# Altium PCB galileo_cleaned.PcbDoc (part 2 of 10)
Units mil, origin at the board's own origin, x right, y up, seen from the top; angles counter-clockwise.
Board outline 4205 x 2835.09 mil, 6 copper layers (TOP, PWR, LYR_1, LYR_2, GND, BOTTOM), stack 80.1 mil thick; 533 components, 432 nets, 2101 pads, 1155 vias.
Unrouted connection lines stored in the file: 669.
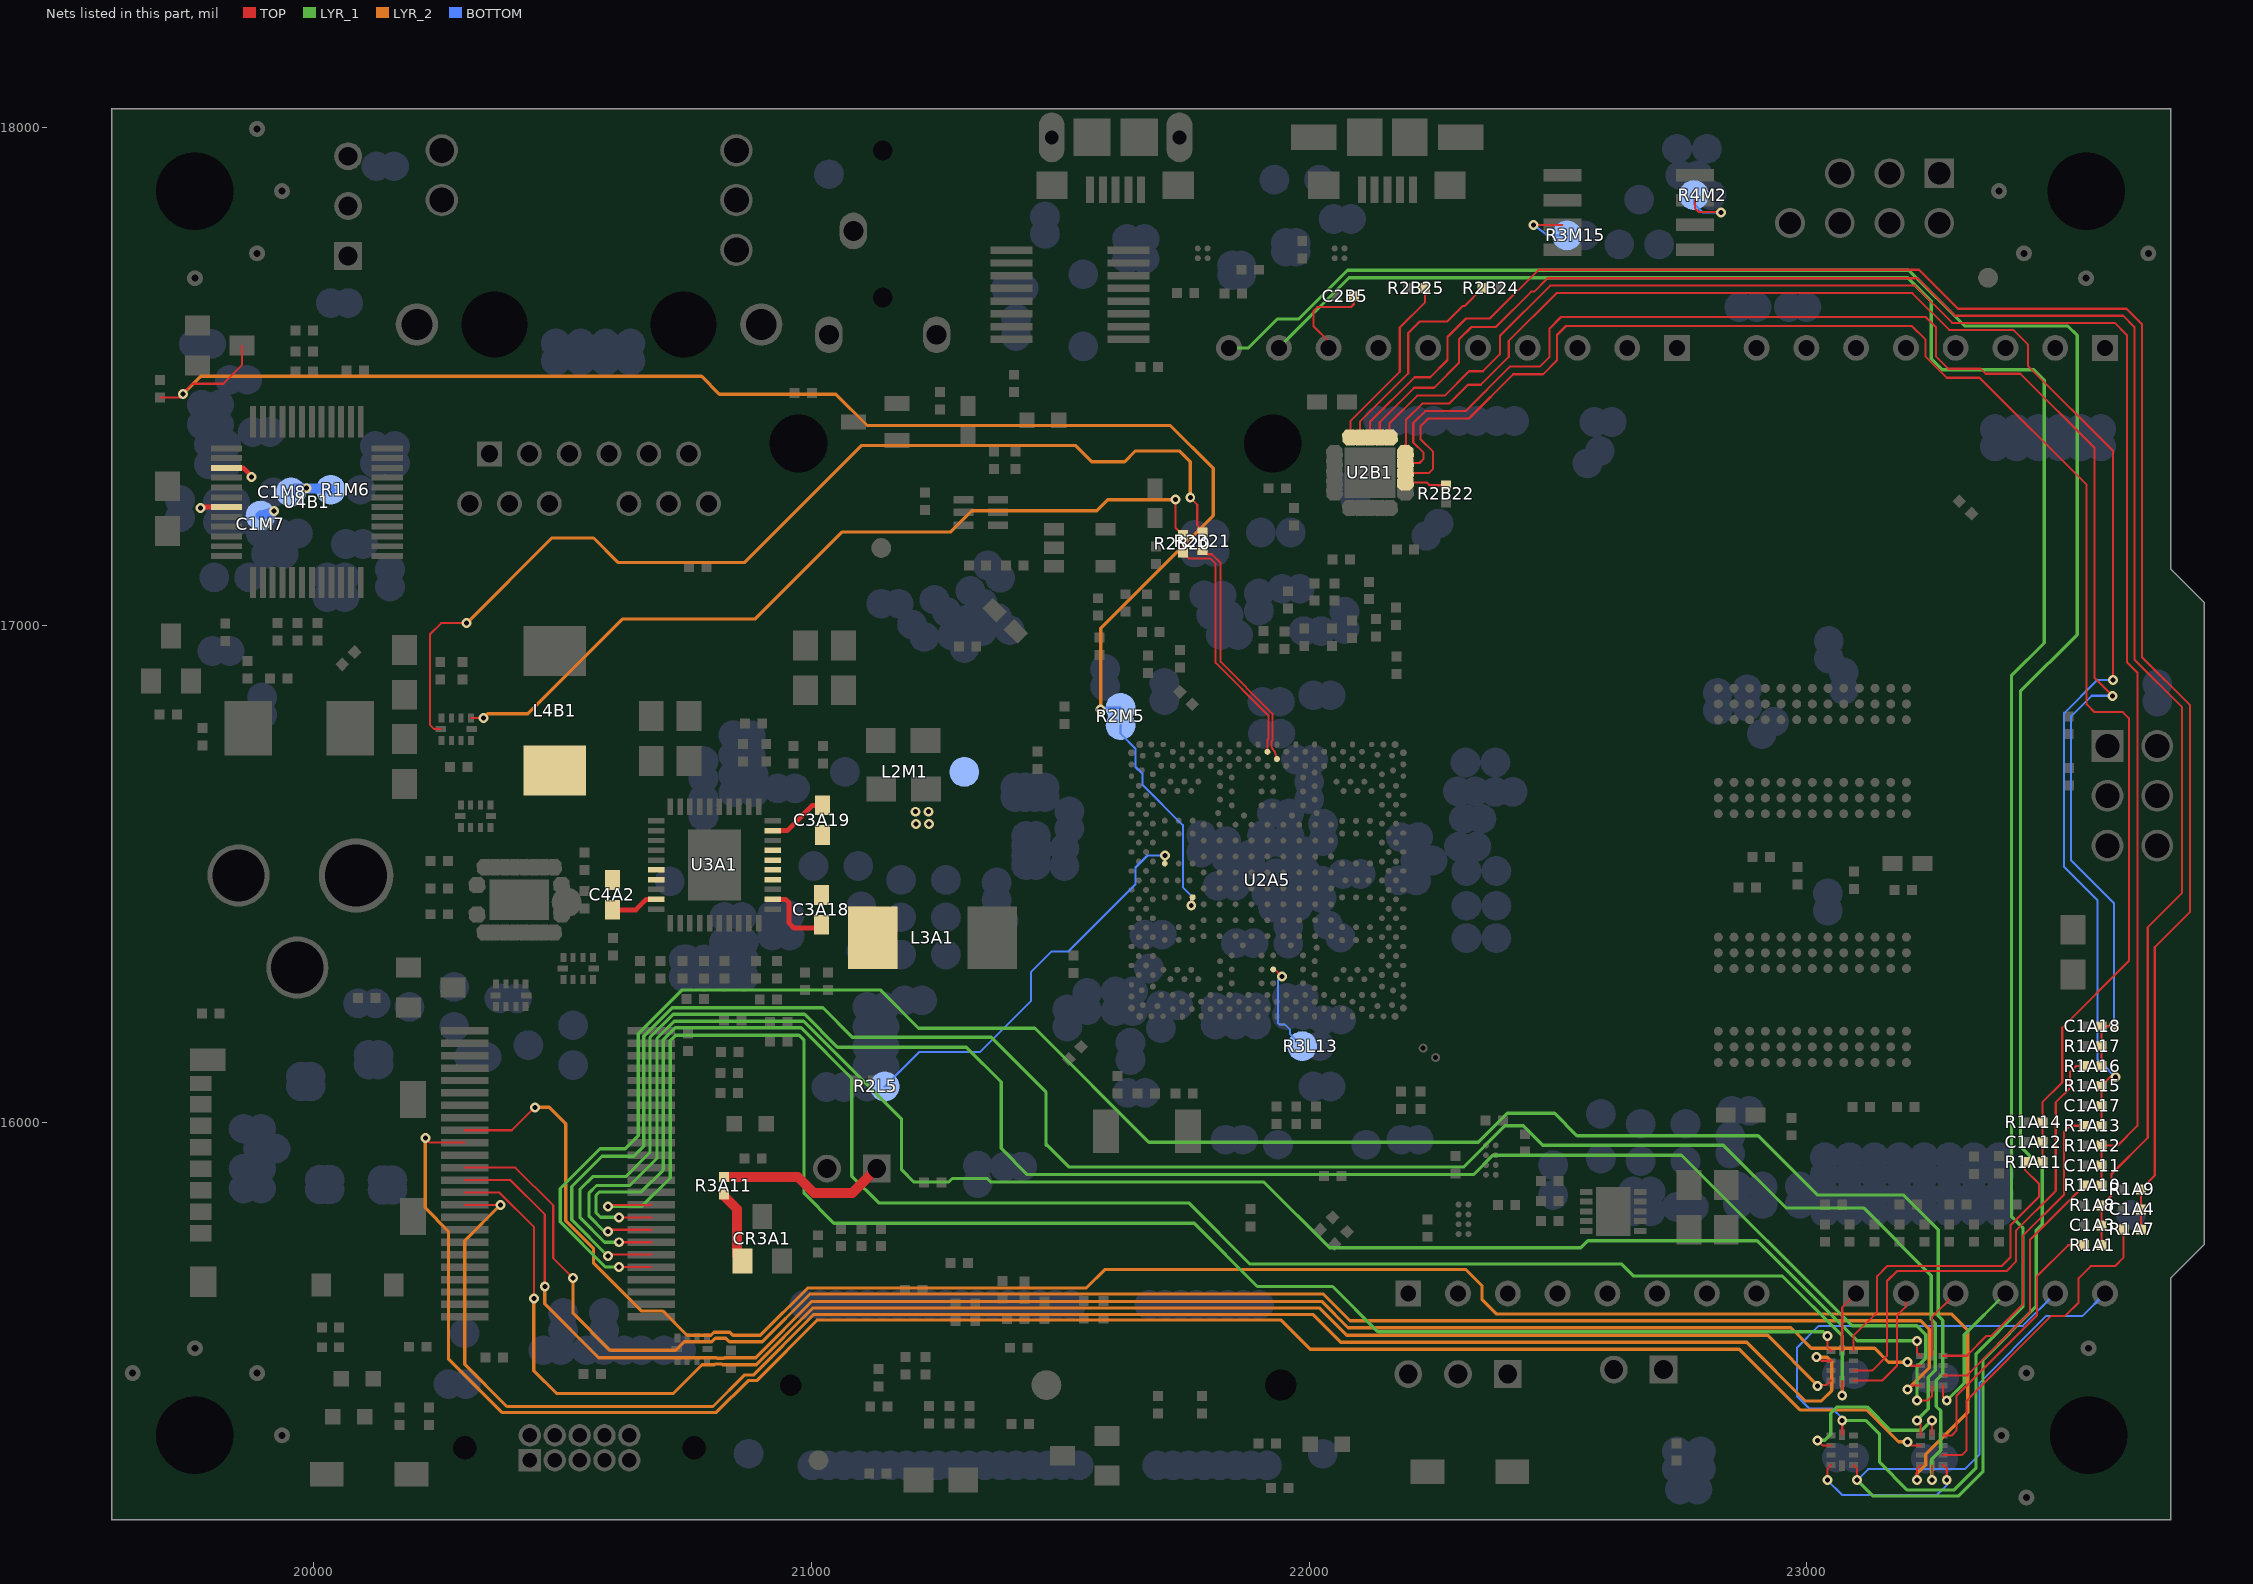
[diagram p6: the nets of this part, all layers, seen from the top]

## Footprints (in the part's own frame and the unit in brackets; to place one, negate y for a bottom-side part, rotate by r counter-clockwise, add the part's x,y. Pads: shape width x height; smd on the part's side, far side on the other; paste and mask are expansions set on the pad) (continued)
BGA393_15X15MM [mil] "BGA393_15X15MM"
  round 14 smd: A2(256.54,-273.07) A34(-256.54,-273.07) AR1(273.07,256.54) AR35(-273.07,256.54) AT2(256.54,273.07) AT34(-256.54,273.07) B1(273.07,-256.54) B35(-273.07,-256.54)
  round 12 smd: A4(233.19,-273.07) A32(-233.19,-273.07) AA2(258.41,38.01) AA4(230.18,38.01) AA10(130.44,47.02) AA26(-130.44,49.38) AA32(-230.18,38.01) AA34(-258.41,38.01) AB3(243.74,57.01) AB11(112,64) AB13(80,64) AB14(48,64) AB16(16,64) AB18(-16,64) AB20(-48,64) AB22(-80,64) AB24(-112,64) AB33(-243.74,57.01) AC2(258.41,76.02) AC4(230.18,76.02) AC5(206.74,71.67) AC7(178.74,71.67) AC9(150.74,71.67) AC27(-150.74,71.67) AC29(-178.74,71.67) AC30(-206.74,71.67) AC32(-230.18,76.02) AC34(-258.41,76.02) AD3(243.74,95.02) AD5(216.61,95.02) AD6(189.48,95.02) AD8(162.34,95.02) AD11(112,96) AD13(80,96) AD14(48,96) AD16(16,96) AD18(-16,96) AD20(-48,96) AD22(-80,96) AD24(-112,96) AD28(-162.34,95.02) AD29(-189.48,95.02) AD31(-216.61,95.02) AD33(-243.74,95.02) AE2(258.41,114.02) AE4(230.18,114.02) AE10(135.21,98.96) AE26(-135.21,98.96) AE32(-230.18,114.02) AE34(-258.41,114.02) AF11(112,128) AF13(80,128) AF14(48,128) AF16(16,128) AF18(-16,128) AF20(-48,128) AF22(-80,128) AF24(-112,128) AG3(243.74,133.03) AG6(198.6,138.8) AG30(-198.38,138.8) AG33(-243.74,133.03) AH2(258.41,152.03) AH4(230.18,152.03) AH7(179.76,152.96) AH11(120,150.2) AH12(94,150.2) AH15(34,150.2) AH17(0,156.6) AH19(-34,150.2) AH23(-94,150.2) AH25(-119.65,150.2) AH29(-179.58,152.96) AH32(-230.18,152.03) AH34(-258.41,152.03) AJ3(243.74,171.03) AJ6(198.6,166.8) AJ30(-198.38,166.8) AJ33(-243.74,171.03) AK2(258.41,190.04) AK4(230.18,190.04) AK7(179.76,180.96) AK11(120,178.2) AK12(94,178.2) AK15(34,178.2) AK17(0,179.95) AK19(-34,178.2) AK23(-94,178.2) AK25(-119.65,178.2) AK29(-179.58,180.96) AK32(-230.18,190.04) AK34(-258.41,190.04) AL6(198.6,194.8) AL11(120,206.2) AL12(94,206.2) AL15(34,206.2) AL17(0,203.29) AL19(-34,206.2) AL23(-94,206.2) AL25(-119.65,206.2) AL30(-198.38,194.8) AM2(252.48,221.12) AM4(230.18,213.38) AM7(179.76,208.96) AM29(-179.58,208.96) AM32(-230.18,213.38) AM33(-252.48,221.12) AN1(273.07,233.19) AN5(213.38,230.18) AN6(190.04,230.18) AN9(152.03,230.18) AN11(114.02,230.18) AN13(76.02,230.18) AN15(38.01,230.18) AN17(0,230.18) AN20(-38.01,230.18) AN22(-76.02,230.18) AN24(-114.02,230.18) AN27(-152.03,230.18) AN29(-190.04,230.18) AN31(-213.38,230.18) AN35(-273.07,233.19) AP2(250.51,250.47) AP4(221.12,252.44) AP7(171.03,243.74) AP10(133.03,243.74) AP12(95.02,243.74) AP14(57.01,243.74) AP16(19,243.74) AP18(-19,243.74) AP21(-57.01,243.74) AP23(-95.02,243.74) AP26(-133.03,243.74) AP28(-171.03,243.74) AP31(-221.12,252.44) AP33(-250.51,250.47) AR6(190.04,258.41) AR9(152.03,258.41) AR11(114.02,258.41) AR13(76.02,258.41) AR15(38.01,258.41) AR17(0,258.41) AR20(-38.01,258.41) AR22(-76.02,258.41) AR24(-114.02,258.41) AR27(-152.03,258.41) AR29(-190.04,258.41) AT3(233.19,273.07) AT32(-233.19,273.07) B2(250.51,-250.47) B4(220.72,-252.44) B6(190.04,-258.41) B9(152.03,-258.41) B11(114.02,-258.41) B13(76.02,-258.41) B15(38.01,-258.41) B17(0,-258.41) B20(-38.01,-258.41) B22(-76.02,-258.41) B24(-114.02,-258.41) B27(-152.03,-258.41) B29(-190.04,-258.41) B31(-221.12,-252.44) B33(-250.51,-250.47) C1(273.07,-233.19) C7(171.03,-243.74) C10(133.03,-243.74) C12(95.02,-243.74) C14(57.01,-243.74) C16(19,-243.74) C18(-19,-243.74) C21(-57.01,-243.74) C23(-95.02,-243.74) C26(-133.03,-243.74) C28(-171.03,-243.74) C35(-273.07,-233.19) D2(252.48,-221.12) D5(213.38,-230.18) D6(190.04,-230.18) D9(152.03,-230.18) D11(114.02,-230.18) D13(76.02,-230.18) D15(38.01,-230.18) D17(0,-230.18) D20(-38.01,-230.18) D22(-76.02,-230.18) D24(-114.02,-230.18) D27(-152.03,-230.18) D29(-190.04,-230.18) D31(-213.38,-230.18) D33(-252.48,-221.12) E4(230.18,-213.38) E7(179.58,-208.96) E11(119.65,-206.2) E12(94,-206.2) E15(34,-206.2) E17(0,-203.29) E19(-34,-206.2) E23(-94,-206.2) E25(-120,-206.2) E29(-179.76,-208.96) E32(-230.18,-213.38) F2(258.41,-190.04) F4(230.18,-190.04) F6(198.38,-194.8) F30(-198.6,-194.8) F32(-230.18,-190.04) F34(-258.41,-190.04) G3(243.74,-171.03) G7(179.58,-180.96) G11(119.65,-178.2) G12(94,-178.2) G15(34,-178.2) G17(0,-179.95) G19(-34,-178.2) G23(-94,-178.2) G25(-120,-178.2) G29(-179.76,-180.96) G33(-243.74,-171.03) H6(198.38,-166.8) H17(0,-156.6) H30(-198.6,-166.8) J2(258.41,-152.03) J4(230.18,-152.03) J6(198.38,-138.8) J7(179.58,-152.96) J11(119.65,-150.2) J12(94,-150.2) J15(34,-150.2) J19(-34,-150.2) J23(-94,-150.2) J25(-120,-150.2) J29(-179.76,-152.96) J30(-198.6,-138.8) J32(-230.18,-152.03) J34(-258.41,-152.03) K3(243.74,-133.03) K11(112,-128) K13(80,-128) K14(48,-128) K16(16,-128) K18(-16,-128) K20(-48,-128) K22(-80,-128) K24(-112,-128) K33(-243.74,-133.03) L2(258.41,-114.02) L4(230.18,-114.02) L32(-230.18,-114.02) L34(-258.41,-114.02) M3(243.74,-95.02) M5(216.61,-95.02) M6(189.48,-95.02) M8(162.34,-95.02) M11(112,-96) M13(80,-96) M14(48,-96) M16(16,-96) M18(-16,-96) M20(-48,-96) M22(-80,-96) M24(-112,-96) M26(-135.21,-98.96) M28(-162.34,-95.02) M29(-189.48,-95.02) M31(-216.61,-95.02) M33(-243.74,-95.02) N2(258.41,-76.02) N4(230.18,-76.02) N32(-230.18,-76.02) N34(-258.41,-76.02) P5(206.74,-71.67) P7(178.74,-71.67) P9(150.74,-71.67) P11(112,-64) P13(80,-64) P14(48,-64) P16(16,-64) P18(-16,-64) P20(-48,-64) P22(-80,-64) P24(-112,-64) P27(-150.74,-71.67) P29(-178.74,-71.67) P30(-206.74,-71.67) R3(243.74,-57.01) R10(130.44,-49.38) R26(-130.44,-47.02) R33(-243.74,-57.01) T2(258.41,-38.01) T4(230.18,-38.01) T11(112,-32) T13(80,-32) T14(48,-32) T16(16,-32) T18(-16,-32) T20(-48,-32) T22(-80,-32) T24(-112,-32) T32(-230.18,-38.01) T34(-258.41,-38.01) U3(243.74,-19) U33(-243.74,-19) V2(258.41,0) V4(230.18,0) V5(206.74,-11.67) V7(178.74,-11.67) V9(150.74,-11.67) V11(112,0) V13(80,0) V14(48,0) V16(16,0) V18(-16,0) V20(-48,0) V22(-80,0) V24(-112,0) V27(-150.74,-11.67) V29(-178.74,-11.67) V30(-206.74,-11.67) V32(-230.18,0) V34(-258.41,0) W3(243.74,19) W5(206.74,11.67) W7(178.74,11.67) W9(150.74,11.67) W27(-150.74,11.67) W29(-178.74,11.67) W30(-206.74,11.67) W33(-243.74,19) Y11(112,32) Y13(80,32) Y14(48,32) Y16(16,32) Y18(-16,32) Y20(-48,32) Y22(-80,32) Y24(-112,32)
  round 11 smd: A5(209.54,-273.07) A31(-209.54,-273.07) AM1(273.07,209.54) AM35(-273.07,209.54) AT5(209.54,273.07) AT31(-209.54,273.07) E1(273.07,-209.54) E35(-273.07,-209.54)
  oval 10x13 smd: A7(171.03,-273.07) A10(133.03,-273.07) A12(95.02,-273.07) A14(57.01,-273.07) A16(19,-273.07) A18(-19,-273.07) A21(-57.01,-273.07) A23(-95.02,-273.07) A26(-133.03,-273.07) A28(-171.03,-273.07) AT7(171.03,273.07) AT10(133.03,273.07) AT12(95.02,273.07) AT14(57.01,273.07) AT16(19,273.07) AT18(-19,273.07) AT21(-57.01,273.07) AT23(-95.02,273.07) AT26(-133.03,273.07) AT28(-171.03,273.07)
  oval 13x10 smd: AB1(273.07,57.01) AB35(-273.07,57.01) AD1(273.07,95.02) AD35(-273.07,95.02) AG1(273.07,133.03) AG35(-273.07,133.03) AJ1(273.07,171.03) AJ35(-273.07,171.03) G1(273.07,-171.03) G35(-273.07,-171.03) K1(273.07,-133.03) K35(-273.07,-133.03) M1(273.07,-95.02) M35(-273.07,-95.02) R1(273.07,-57.01) R35(-273.07,-57.01) U1(273.07,-19) U35(-273.07,-19) W1(273.07,19) W35(-273.07,19)
  silkscreen extent -295,-341 330,295
CONN6_H18587001 [mil] "CONN6_H18587001"
  rect 64x64 hole 49: 1(-50,100)
  round 64 hole 49: 2(50,100) 3(-50,0) 4(50,0) 5(-50,-100) 6(50,-100)
  silkscreen extent -159,-152 98,152
CONN_SDCARD_8P_PP [mil] "CONN_SDCARD_8P_PP"
  rect 33x43 smd: 1(122.23,-158.51) 2(78.93,-158.51) 3(35.62,-158.51) 4(-7.69,-158.51) 5(-50.99,-158.51) 6(-94.3,-158.51) 7(-137.61,-158.51)
  rect 30x43 smd: 8(-178.95,-158.51)
  rect 47x39 smd: 9(225.97,83.61) 10(225.97,229.28)
  rect 61x53 smd: G1(219.08,-153.6)
  rect 46x71 smd: G2(-226.58,-144.74)
  rect 75x53 smd: G3(-146.86,267.67) G4(88.18,267.67)
  silkscreen extent -238,-245 238,286
FBGA78_8X11P5_8MM [mil] "FBGA78_8X11P5_8MM"
  round 18 smd: A1(-125.98,188.98) A2(-94.49,188.98) A3(-62.99,188.98) A7(62.99,188.98) A8(94.49,188.98) A9(125.98,188.98) B1(-125.98,157.48) B2(-94.49,157.48) B3(-62.99,157.48) B7(62.99,157.48) B8(94.49,157.48) B9(125.98,157.48) C1(-125.98,125.98) C2(-94.49,125.98) C3(-62.99,125.98) C7(62.99,125.98) C8(94.49,125.98) C9(125.98,125.98) D1(-125.98,94.49) D2(-94.49,94.49) D3(-62.99,94.49) D7(62.99,94.49) D8(94.49,94.49) D9(125.98,94.49) E1(-125.98,62.99) E2(-94.49,62.99) E3(-62.99,62.99) E7(62.99,62.99) E8(94.49,62.99) E9(125.98,62.99) F1(-125.98,31.5) F2(-94.49,31.5) F3(-62.99,31.5) F7(62.99,31.5) F8(94.49,31.5) F9(125.98,31.5) G1(-125.98,0) G2(-94.49,0) G3(-62.99,0) G7(62.99,0) G8(94.49,0) G9(125.98,0) H1(-125.98,-31.5) H2(-94.49,-31.5) H3(-62.99,-31.5) H7(62.99,-31.5) H8(94.49,-31.5) H9(125.98,-31.5) J1(-125.98,-62.99) J2(-94.49,-62.99) J3(-62.99,-62.99) J7(62.99,-62.99) J8(94.49,-62.99) J9(125.98,-62.99) K1(-125.98,-94.49) K2(-94.49,-94.49) K3(-62.99,-94.49) K7(62.99,-94.49) K8(94.49,-94.49) K9(125.98,-94.49) L1(-125.98,-125.98) L2(-94.49,-125.98) L3(-62.99,-125.98) L7(62.99,-125.98) L8(94.49,-125.98) L9(125.98,-125.98) M1(-125.98,-157.48) M2(-94.49,-157.48) M3(-62.99,-157.48) M7(62.99,-157.48) M8(94.49,-157.48) M9(125.98,-157.48) N1(-125.98,-188.98) N2(-94.49,-188.98) N3(-62.99,-188.98) N7(62.99,-188.98) N8(94.49,-188.98) N9(125.98,-188.98)
  silkscreen extent -225,-229 160,279
JK_3P_RA [mil] "JK_3P_RA"
  round 150 hole 125: 1(41.44,-232.18)
  round 125 hole 105: 2(41.44,4.04) 3(-143.6,-114.07)
  silkscreen extent -136,-364 219,307
JK_STX3000_3P_2GH [mil] "JK_STX3000_3P_2GH"
  oval 55x74 hole 40: 1(59.06,23.62) 2(-108.27,232.28) 3(108.27,232.28)
  round 10 hole 40: " "(0,157.48) " "(0,-137.8)
  silkscreen extent -142,-295 198,276
LB_1500X500_PKG [mil] "LB_1500X500_PKG"
  round 60 all layers, no hole: 1(0,0)
  silkscreen extent -750,-250 750,250
LQFP48_7X7_P5MM [mil] "LQFP48_7X7_P5MM"
  rect 12x63 smd: 1(-108.27,-161.42) 2(-88.58,-161.42) 3(-68.9,-161.42) 4(-49.21,-161.42) 5(-29.53,-161.42) 6(-9.84,-161.42) 7(9.84,-161.42) 8(29.53,-161.42) 9(49.21,-161.42) 10(68.9,-161.42) 11(88.58,-161.42) 12(108.27,-161.42) 25(108.27,161.42) 26(88.58,161.42) 27(68.9,161.42) 28(49.21,161.42) 29(29.53,161.42) 30(9.84,161.42) 31(-9.84,161.42) 32(-29.53,161.42) 33(-49.21,161.42) 34(-68.9,161.42) 35(-88.58,161.42) 36(-108.27,161.42)
  rect 63x12 smd: 13(161.42,-108.27) 14(161.42,-88.58) 15(161.42,-68.9) 16(161.42,-49.21) 17(161.42,-29.53) 18(161.42,-9.84) 19(161.42,9.84) 20(161.42,29.53) 21(161.42,49.21) 22(161.42,68.9) 23(161.42,88.58) 24(161.42,108.27) 37(-161.42,108.27) 38(-161.42,88.58) 39(-161.42,68.9) 40(-161.42,49.21) 41(-161.42,29.53) 42(-161.42,9.84) 43(-161.42,-9.84) 44(-161.42,-29.53) 45(-161.42,-49.21) 46(-161.42,-68.9) 47(-161.42,-88.58) 48(-161.42,-108.27)
  silkscreen extent -145,-236 140,140
MLF10_3X3_05MM_EP [mil] "MLF10_3X3_05MM_EP"
  rect 25x12 smd: 1(-54,39.38) 2(-54,19.69) 3(-54,0) 4(-54,-19.69) 5(-54,-39.38) 6(54,-39.38) 7(54,-19.69) 8(54,0) 9(54,19.69) 10(54,39.38)
  rect 69x98 smd: 11(0,0)
  silkscreen extent -86,-62 62,67
QFN10_06_08_5MA [mil] "QFN10_06_08_5MA"
  rect 18x12 smd: 1(-22.5,29.53) 4(-22.5,-29.53) 6(22.5,-29.53) 9(22.5,29.53)
  rect 18x10 smd: 2(-22.5,9.84) 3(-22.5,-9.84) 7(22.5,-9.84) 8(22.5,9.84)
  rect 12x21 smd: 5(0,-31) 10(0,31)
  silkscreen extent -55,30 -45,40
QFN20_14_18_5MB [mil] "QFN20_14_18_5MB"
  oct 33.3x33.3 smd rot 93: 1(-29.53,85) 2(-65.5,68.9) 3(-65.5,49.21) 4(-65.5,29.53) 5(-65.5,9.84) 6(-65.5,-9.84) 7(-65.5,-29.53) 8(-65.5,-49.21) 9(-65.5,-68.9) 10(-29.53,-85) 11(29.53,-85) 12(65.5,-68.9) 13(65.5,-49.21) 14(65.5,-29.53) 15(65.5,-9.84) 16(65.5,9.84) 17(65.5,29.53) 18(65.5,49.21) 19(65.5,68.9) 20(29.53,85)
  rect 81x120 smd: 21(0,0)
  silkscreen extent -105,73 -95,83
QFN40_6X6_05MM_EP2X3 [mil] "QFN40_6X6_05MM_EP2X3"
  rect 11x33 smd: 1(88.58,116.88) 2(68.9,116.88) 3(49.21,116.88) 4(29.53,116.88) 5(9.84,116.88) 6(-9.84,116.88) 7(-29.53,116.88) 8(-49.21,116.88) 9(-68.9,116.88) 10(-88.58,116.88) 21(-88.58,-116.88) 22(-68.9,-116.88) 23(-49.21,-116.88) 24(-29.53,-116.88) 25(-9.84,-116.88) 26(9.84,-116.88) 27(29.53,-116.88) 28(49.21,-116.88) 29(68.9,-116.88) 30(88.58,-116.88)
  rect 33x11 smd: 11(-116.88,88.58) 12(-116.88,68.9) 13(-116.88,49.21) 14(-116.88,29.53) 15(-116.88,9.84) 16(-116.88,-9.84) 17(-116.88,-29.53) 18(-116.88,-49.21) 19(-116.88,-68.9) 20(-116.88,-88.58) 31(116.88,-88.58) 32(116.88,-68.9) 33(116.88,-49.21) 34(116.88,-29.53) 35(116.88,-9.84) 36(116.88,9.84) 37(116.88,29.53) 38(116.88,49.21) 39(116.88,68.9) 40(116.88,88.58)
  rect 107x142 smd: 41(0,0)
  silkscreen extent -120,-120 120,170
RCPT_USB_5P_6MTG_SM [mil] "RCPT_USB_5P_6MTG_SM"
  rect 16x53 smd rot 179.94: 1(-51.18,52.92) 2(-25.59,52.92) 3(0,52.92) 4(25.59,52.92) 5(51.18,52.92)
  rect 71x75 smd: MT1(-45.28,-52.4) MT2(45.28,-52.4)
  rect 91x51 smd: MT3(-147.64,-52.4) MT4(147.64,-52.4)
  rect 63x55 smd: MT5(-125.98,44.06) MT6(127.95,44.06)
  silkscreen extent -148,-163 148,168
RCPT_USB_5P_DIP_SM [mil] "RCPT_USB_5P_DIP_SM"
  rect 16x53 smd rot 179.94: 1(-51.18,52.92) 2(-25.59,52.92) 3(0,52.92) 4(25.59,52.92) 5(51.18,52.92)
  rect 75x75 smd: MT1(-47.28,-52.4) MT2(47.28,-52.4)
  oval 52x100 hole 28: MT3(-128.34,-52.4) MT4(128.34,-52.4)
  rect 63x55 smd: MT5(-125.98,44.06) MT6(127.95,44.06)
  silkscreen extent -148,-163 148,145
RJ45_L8291J [mil] "RJ45_L8291J"
  rect 50x50 hole 35: 1(-200,-305)
  round 50 hole 35: 2(-120,-305) 3(-40,-305) 4(40,-305) 5(120,-305) 6(200,-305) 7(-240,-405) 8(-160,-405) 9(-80,-405) 10(80,-405) 11(160,-405) 12(240,-405)
  round 65 hole 50: 13(-296,205) 14(-296,305) 15(296,105) 16(296,205) 17(296,305)
  round 10 hole 133: " "(-190,-45) " "(190,-45)
  round 85 hole 62: MH1(-346,-45) MH2(346,-45)
  TOP lines w1: -355.8,-278.5 -355.8,-137.5 -289.8,-137.5 -289.8,-278.5 -355.8,-278.5 ; 289.7,-278.5 289.7,-137.5 355.7,-137.5 355.7,-278.5 289.7,-278.5
  Multi-Layer keep-out circle w1: c-190,-45 r81.5
  Multi-Layer keep-out circle w1: c190,-45 r81.5
  silkscreen extent -350,-510 350,475
SKT_MPCIE_FULL_52P_LATCH [mil] "SKT_MPCIE_FULL_52P_LATCH"
  round 60 smd: 1(464.57,1058.9) 2(448.82,736.06) 3(433.08,1058.9) 4(417.33,736.06) 5(401.58,1058.9) 6(385.83,736.06) 7(370.08,1058.9) 8(354.33,736.06) 9(338.58,1058.9) 10(322.83,736.06) 11(307.08,1058.9) 12(291.33,736.06) 13(275.6,1058.9) 14(259.85,736.06) 15(244.1,1058.9) 16(228.35,736.06) 17(86.62,1058.9) 18(70.87,736.06) 19(55.12,1058.9) 20(39.38,736.06) 21(23.62,1058.9) 22(7.88,736.06) 23(-7.88,1058.9) 24(-23.62,736.06) 25(-39.36,1058.9) 26(-55.11,736.06) 27(-70.86,1058.9) 28(-86.61,736.06) 29(-102.36,1058.9) 30(-118.11,736.06) 31(-133.85,1058.9) 32(-149.6,736.06) 33(-165.35,1058.9) 34(-181.1,736.06) 35(-196.85,1058.9) 36(-212.59,736.06) 37(-228.34,1058.9) 38(-244.09,736.06) 39(-259.84,1058.9) 40(-275.59,736.06) 41(-291.33,1058.9) 42(-307.08,736.06) 43(-322.83,1058.9) 44(-338.58,736.06) 45(-354.33,1058.9) 46(-370.08,736.06) 47(-385.83,1058.9) 48(-401.58,736.06) 49(-417.33,1058.9) 50(-433.08,736.06) 51(-448.81,1058.9) 52(-464.56,736.06) MP1(576.78,1035.4) MP2(-576.77,1035.4)
  round 10 hole 43: " "(-492.12,897.48)
  round 10 hole 116: " "(-476.38,-994.23) " "(476.38,-994.23)
  round 10 hole 63: " "(492.12,897.48)
  Multi-Layer keep-out circle w1: c492.12,897.48 r46.5
  Multi-Layer keep-out circle w1: c-492.12,897.48 r36.5
  Multi-Layer keep-out circle w1: c-476.38,-994.23 r73
  Multi-Layer keep-out circle w1: c476.38,-994.23 r73
  silkscreen extent -589,736 589,1149
SMC0201 [mil] "SMC0201"
  round 60 smd: 1(10.5,0) 2(-10.5,0)
  TOP keep-out region: 4,-10 -4,-10 -4,10 4,10 4,-10
SMC0402A#1 [mil] "SMC0402A"
  rect 20x20 smd: 1(0,17.5) 2(0,-17.5)
  TOP lines w1: 10,-7.5 -10,-7.5 -10,7.5 10,7.5 10,-7.5
  silkscreen extent -15,-18 15,18
SMC0402A#2 [mil] "SMC0402A"
  rect 20x20 smd: 1(0,17.5) 2(0,-17.5)
  TOP keep-out region: -10,-7.5 10,-7.5 10,7.5 -10,7.5 -10,-7.5
  silkscreen extent -15,-18 15,18
SMC0402A#3 [mil] "SMC0402A"
  round 60 smd: 1(0,-17.5) 2(0,17.5)
  TOP lines w1: -10,-7.5 10,-7.5 10,7.5 -10,7.5 -10,-7.5
  silkscreen extent -15,-18 15,18
SMC0402A#4 [mil] "SMC0402A"
  round 60 smd: 1(0,-17.5) 2(0,17.5)
  TOP keep-out region: 10,7.5 10,-7.5 -10,-7.5 -10,7.5 10,7.5
  silkscreen extent -15,-18 15,18
SMC0603#1 [mil] "SMC0603"
  rect 30x40 smd: 1(0,30) 2(0,-30)
  silkscreen extent -28,-30 28,30
SMC0603#2 [mil] "SMC0603"
  round 60 smd: 1(0,-30) 2(0,30)
  silkscreen extent -28,-30 28,30
SMC0805#1 [mil] "SMC0805"
  rect 50x60 smd: 1(0,45) 2(0,-45)
  silkscreen extent -38,-45 38,45
SMC0805#2 [mil] "SMC0805"
  round 60 smd: 1(0,-45) 2(0,45)
  silkscreen extent -38,-45 38,45
SMC0805P [mil] "SMC0805P"
  rect 50x60 smd: 1(0,45) 2(0,-45)
  silkscreen extent -44,-45 44,139
SMC1210_110T [mil] "SMC1210_110T"
  round 60 smd: 1(0,-72.5) 2(0,72.5)
  silkscreen extent -63,-65 63,65
SMF0402 [mil] "SMF0402"
  round 60 smd: 1(17.5,0) 2(-17.5,0)
  silkscreen extent -22,-27 22,27
SMF0805 [mil] "SMF0805"
  round 60 smd: 1(0,-35) 2(0,35)
  silkscreen extent -31,-45 31,45
SMF2411 [mil] "SMF2411"
  rect 110x95 smd: 1(0,102.5) 2(0,-102.5)
  TOP lines w1: -55,150.5 55,150.5 55,-150.5 -55,-150.5 -55,150.5
  silkscreen extent -53,-120 53,120
SMI_255_255#1 [mil] "SMI_255_255"
  round 60 smd: 1(0,-120) 2(0,120)
  silkscreen extent -128,-135 128,135
SMI_255_255#2 [mil] "SMI_255_255"
  rect 125x100 smd: 1(0,120) 2(0,-120)
  silkscreen extent -128,-135 128,135
SML03025_4P [mil] "SML03025_4P"
  round 60 smd: 1(9.84,-8.86) 2(-9.84,-8.86) 3(-9.84,8.86) 4(9.84,8.86)
  silkscreen extent -14,-44 55,18
SMLED0603 [mil] "SMLED0603"
  rect 31x31 smd: 1(0,32) 2(0,-32)
  silkscreen extent -23,-101 46,55
SMR0402A#1 [mil] "SMR0402A"
  rect 20x20 smd: 1(0,17.5) 2(0,-17.5)
  TOP keep-out region: -10,-7.5 10,-7.5 10,7.5 -10,7.5 -10,-7.5
  silkscreen extent -15,-18 15,18
SMR0402A#2 [mil] "SMR0402A"
  rect 20x20 smd: 1(0,17.5) 2(0,-17.5)
  TOP lines w1: 10,7.5 10,-7.5 -10,-7.5 -10,7.5 10,7.5
  silkscreen extent -15,-18 15,18
SMR0402A#3 [mil] "SMR0402A"
  round 60 smd: 1(0,-17.5) 2(0,17.5)
  TOP keep-out region: 10,7.5 10,-7.5 -10,-7.5 -10,7.5 10,7.5
  silkscreen extent -15,-18 15,18
SMR0402A#4 [mil] "SMR0402A"
  round 60 smd: 1(0,-17.5) 2(0,17.5)
  TOP lines w1: -10,-7.5 10,-7.5 10,7.5 -10,7.5 -10,-7.5
  silkscreen extent -15,-18 15,18
SMR0603 [mil] "SMR0603"